# KiCad board Premium lumpen.kicad_pcb
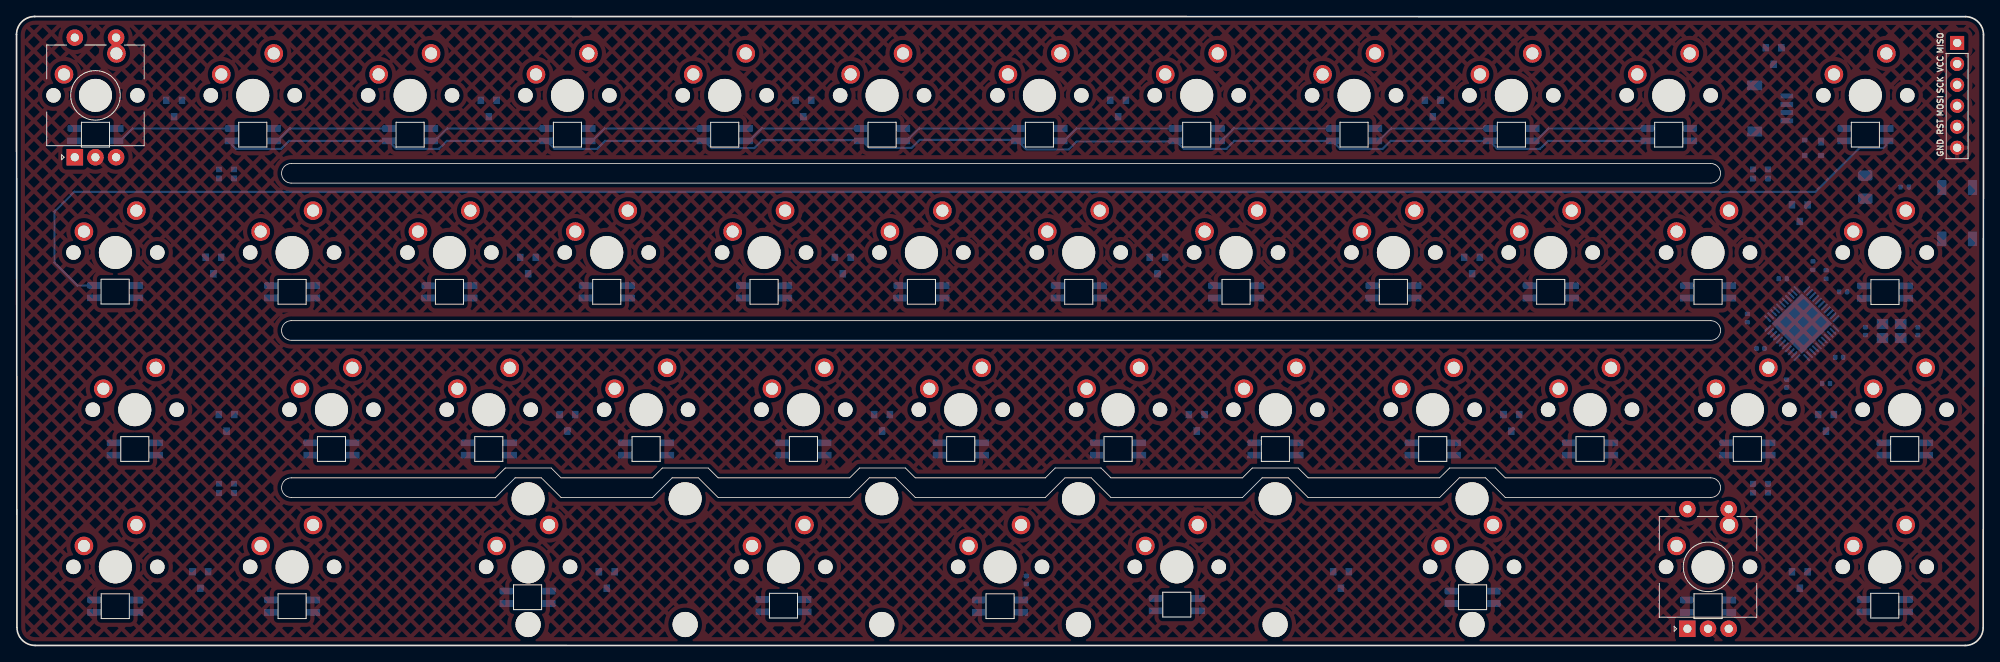
[diagram p0: board, top side]
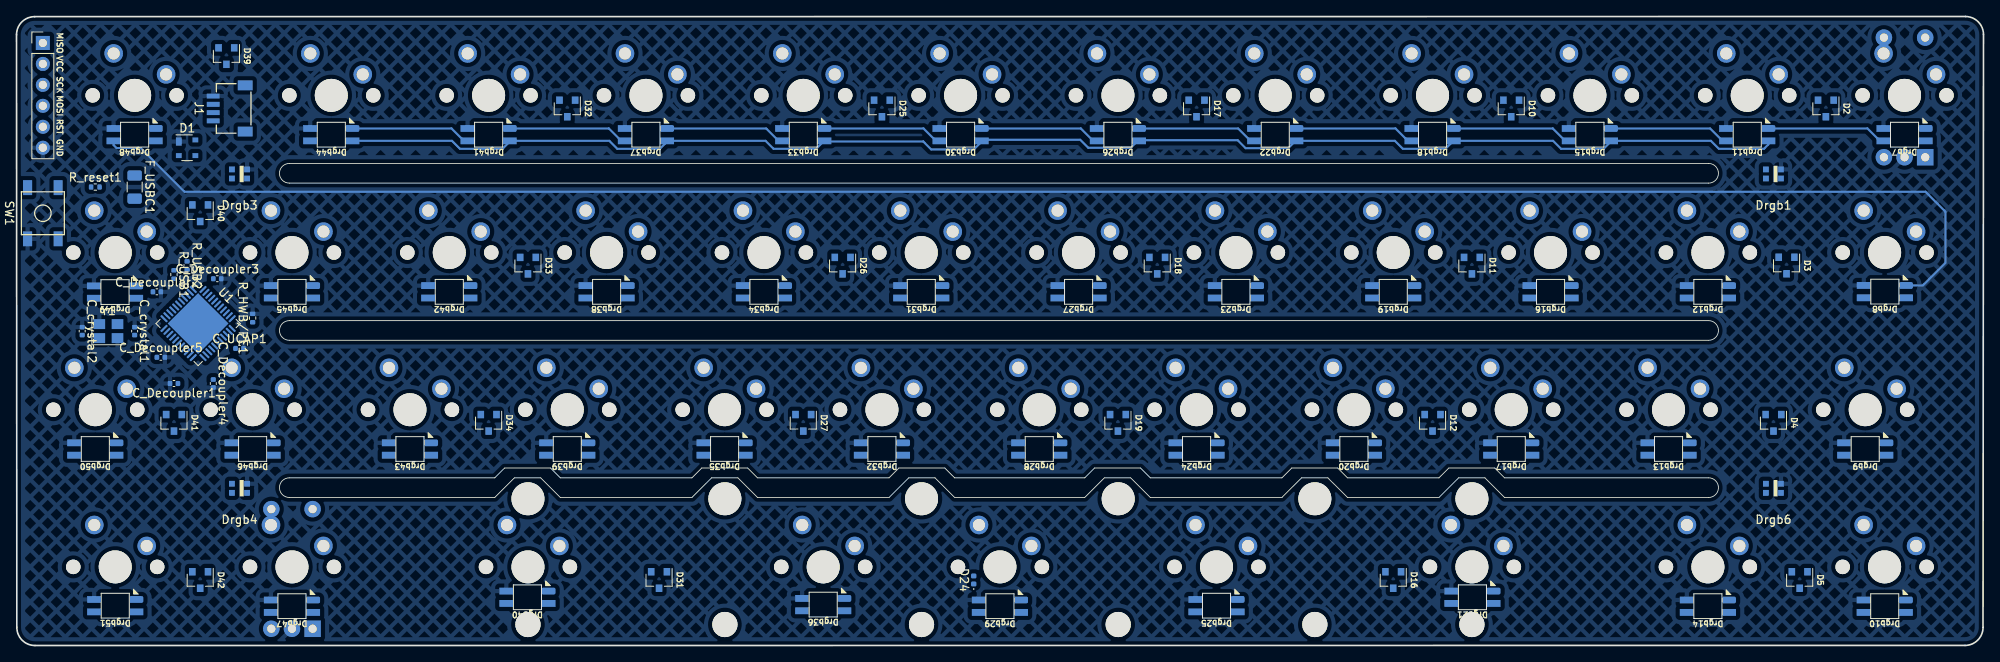
[diagram p1: board, bottom side, seen from below]

Outline 238.17 x 76.24 mm; copper layers: Top, Bottom. Coordinates in mm from the lower left corner of the outline.
Outline path: 0,74.04 arc(0.64,75.59) 2.19,76.24 235.98,76.22 arc(237.53,75.58) 238.17,74.03 238.14,2.19 arc(237.49,0.64) 235.94,0 2.25,0.01 arc(0.7,0.65) 0.05,2.2 0,74.04 ; 33.3,58.42 205.14,58.42 arc(206.33,57.23) 205.14,56.04 33.3,56.04 arc(32.11,57.23) 33.3,58.42 ; 33.3,39.37 205.14,39.37 arc(206.33,38.18) 205.14,36.99 33.3,36.99 arc(32.11,38.18) 33.3,39.37 ; 33.3,20.32 57.99,20.32 59.18,21.51 64.74,21.51 65.93,20.32 77.01,20.32 78.2,21.51 83.76,21.51 84.95,20.32 100.89,20.32 102.08,21.51 107.63,21.51 108.82,20.32 124.58,20.32 125.77,21.51 131.33,21.51 132.52,20.32 148.45,20.32 149.64,21.51 155.2,21.51 156.39,20.32 172.32,20.32 173.51,21.51 179.07,21.51 180.26,20.32 205.14,20.32 arc(206.33,19.13) 205.14,17.94 180.26,17.94 177.88,20.32 174.71,20.32 172.32,17.94 156.39,17.94 154,20.32 150.83,20.32 148.45,17.94 132.52,17.94 130.13,20.32 126.96,20.32 124.58,17.94 108.82,17.94 106.44,20.32 103.27,20.32 100.89,17.94 84.95,17.94 82.57,20.32 79.39,20.32 77.01,17.94 65.93,17.94 63.55,20.32 60.37,20.32 57.99,17.94 33.3,17.94 arc(32.11,19.13) 33.3,20.32

## Placement (name value [footprint] x y rotation side)
C_crystal1  22pF  [C_0402_1005Metric]  223.87 38.1 270 bottom
C_crystal2  22pF  [C_0402_1005Metric]  230.22 38.1 270 bottom
C_Decoupler1  10uF  [C_0402_1005Metric]  219.11 31.75 0 bottom
C_Decoupler2  0.1uF  [C_0402_1005Metric]  221.18 42.87 180 bottom
C_Decoupler3  0.1uF  [C_0402_1005Metric]  213.87 44.45 180 bottom
C_Decoupler4  0.1uF  [C_0402_1005Metric]  214.35 31.75 270 bottom
C_Decoupler5  0.1uF  [C_0402_1005Metric]  220.7 34.93 180 bottom
C_UCAP1  1uF  [C_0402_1005Metric]  211.17 36.01 180 bottom
D1  PRTR5V0U2X  [SOT-143]  217.52 60.33 180 bottom
D2  D_Small  [SOT-23]  19.08 65.09 270 bottom
D3  D_Small  [SOT-23]  23.85 46.05 270 bottom
D4  D_Small  [SOT-23]  25.43 26.99 270 bottom
D5  D_Small  [SOT-23]  22.26 7.94 270 bottom
D10  D_Small  [SOT-23]  57.18 65.09 270 bottom
D11  D_Small  [SOT-23]  61.95 46.04 270 bottom
D12  D_Small  [SOT-23]  66.71 26.99 270 bottom
D16  D_Small  [SOT-23]  71.47 7.94 270 bottom
D17  D_Small  [SOT-23]  95.28 65.09 270 bottom
D18  D_Small  [SOT-23]  100.05 46.04 270 bottom
D19  D_Small  [SOT-23]  104.81 26.99 270 bottom
D24  D_Small  [D_0402_1005Metric]  122.27 7.94 90 bottom
D25  D_Small  [SOT-23]  133.38 65.09 270 bottom
D26  D_Small  [SOT-23]  138.15 46.04 270 bottom
D27  D_Small  [SOT-23]  142.91 26.99 270 bottom
D31  D_Small  [SOT-23]  160.37 7.94 270 bottom
D32  D_Small  [SOT-23]  171.48 65.09 270 bottom
D33  D_Small  [SOT-23]  176.25 46.04 270 bottom
D34  D_Small  [SOT-23]  181.01 26.99 270 bottom
D39  D_Small  [SOT-23]  212.76 71.44 270 bottom
D40  D_Small  [SOT-23]  215.93 52.39 270 bottom
D41  D_Small  [SOT-23]  219.11 26.99 270 bottom
D42  D_Small  [SOT-23]  215.93 7.94 270 bottom
Drgb1  -  [WS2812-2020]  25.43 57.15 180 bottom
Drgb3  -  [WS2812-2020]  211.17 57.15 180 bottom
Drgb4  -  [WS2812-2020]  211.17 19.05 180 bottom
Drgb6  -  [WS2812-2020]  25.43 19.05 180 bottom
Drgb7  WS2812-2020  [SK6812-MINI-E]  9.56 61.92 180 bottom
Drgb8  WS2812-2020  [SK6812-MINI-E]  11.94 42.89 180 bottom
Drgb9  WS2812-2020  [SK6812-MINI-E]  14.32 23.82 180 bottom
Drgb10  WS2812-2020  [SK6812-MINI-E]  11.96 4.77 180 bottom
Drgb11  WS2812-2020  [SK6812-MINI-E]  28.61 61.92 180 bottom
Drgb12  WS2812-2020  [SK6812-MINI-E]  33.37 42.87 180 bottom
Drgb13  WS2812-2020  [SK6812-MINI-E]  38.13 23.82 180 bottom
Drgb14  WS2812-2020  [SK6812-MINI-E]  33.37 4.77 180 bottom
Drgb15  WS2812-2020  [SK6812-MINI-E]  47.66 61.92 180 bottom
Drgb16  WS2812-2020  [SK6812-MINI-E]  52.42 42.87 180 bottom
Drgb17  WS2812-2020  [SK6812-MINI-E]  57.18 23.82 180 bottom
Drgb18  WS2812-2020  [SK6812-MINI-E]  66.71 61.92 180 bottom
Drgb19  WS2812-2020  [SK6812-MINI-E]  71.47 42.87 180 bottom
Drgb20  WS2812-2020  [SK6812-MINI-E]  76.23 23.82 180 bottom
Drgb21  WS2812-2020  [SK6812-MINI-E]  61.88 5.85 180 bottom
Drgb22  WS2812-2020  [SK6812-MINI-E]  85.76 61.92 180 bottom
Drgb23  WS2812-2020  [SK6812-MINI-E]  90.52 42.87 180 bottom
Drgb24  WS2812-2020  [SK6812-MINI-E]  95.28 23.82 180 bottom
Drgb25  WS2812-2020  [SK6812-MINI-E]  92.87 4.83 180 bottom
Drgb26  WS2812-2020  [SK6812-MINI-E]  104.81 61.92 180 bottom
Drgb27  WS2812-2020  [SK6812-MINI-E]  109.57 42.87 180 bottom
Drgb28  WS2812-2020  [SK6812-MINI-E]  114.33 23.82 180 bottom
Drgb29  WS2812-2020  [SK6812-MINI-E]  119.1 4.77 180 bottom
Drgb30  WS2812-2020  [SK6812-MINI-E]  123.86 61.92 180 bottom
Drgb31  WS2812-2020  [SK6812-MINI-E]  128.62 42.87 180 bottom
Drgb32  WS2812-2020  [SK6812-MINI-E]  133.38 23.82 180 bottom
Drgb33  WS2812-2020  [SK6812-MINI-E]  142.91 61.92 180 bottom
Drgb34  WS2812-2020  [SK6812-MINI-E]  147.67 42.87 180 bottom
Drgb35  WS2812-2020  [SK6812-MINI-E]  152.43 23.82 180 bottom
Drgb36  WS2812-2020  [SK6812-MINI-E]  140.49 4.96 180 bottom
Drgb37  WS2812-2020  [SK6812-MINI-E]  161.96 61.92 180 bottom
Drgb38  WS2812-2020  [SK6812-MINI-E]  166.72 42.87 180 bottom
Drgb39  WS2812-2020  [SK6812-MINI-E]  171.48 23.82 180 bottom
Drgb40  WS2812-2020  [SK6812-MINI-E]  176.31 5.85 180 bottom
Drgb41  WS2812-2020  [SK6812-MINI-E]  181.01 61.92 180 bottom
Drgb42  WS2812-2020  [SK6812-MINI-E]  185.77 42.87 180 bottom
Drgb43  WS2812-2020  [SK6812-MINI-E]  190.53 23.82 180 bottom
Drgb44  WS2812-2020  [SK6812-MINI-E]  200.06 61.92 180 bottom
Drgb45  WS2812-2020  [SK6812-MINI-E]  204.82 42.87 180 bottom
Drgb46  WS2812-2020  [SK6812-MINI-E]  209.58 23.82 180 bottom
Drgb47  WS2812-2020  [SK6812-MINI-E]  204.82 4.77 180 bottom
Drgb48  WS2812-2020  [SK6812-MINI-E]  223.87 61.92 180 bottom
Drgb49  WS2812-2020  [SK6812-MINI-E]  226.25 42.84 180 bottom
Drgb50  WS2812-2020  [SK6812-MINI-E]  228.63 23.82 180 bottom
Drgb51  WS2812-2020  [SK6812-MINI-E]  226.22 4.83 180 bottom
F_USBC1  500mA  [Fuse_1206_3216Metric]  223.87 55.57 270 bottom
J1  Conn_01x04_MountingPin  [JST-SR-4]  209.58 65.09 90 bottom
J2  AVR-ISP-6  [ICSP-Header]  234.98 73.03 180 bottom
MX1  MX-NoLED  [MXOnly-1U-NoLED]  9.56 66.68 0 top
MX2  MX-NoLED  [MXOnly-1U-NoLED]  28.61 66.68 0 top
MX3  MX-NoLED  [MXOnly-1U-NoLED]  47.66 66.68 0 top
MX4  MX-NoLED  [MXOnly-1U-NoLED]  66.71 66.68 0 top
MX5  MX-NoLED  [MXOnly-1U-NoLED]  85.76 66.68 0 top
MX6  MX-NoLED  [MXOnly-1U-NoLED]  104.81 66.68 0 top
MX7  MX-NoLED  [MXOnly-1U-NoLED]  123.86 66.68 0 top
MX8  MX-NoLED  [MXOnly-1U-NoLED]  142.91 66.68 0 top
MX9  MX-NoLED  [MXOnly-1U-NoLED]  161.96 66.68 0 top
MX10  MX-NoLED  [MXOnly-1U-NoLED]  181.01 66.68 0 top
MX11  MX-NoLED  [MXOnly-1U-NoLED]  200.06 66.68 0 top
MX12  MX-NoLED  [MXOnly-1.5U-NoLED]  223.87 66.68 0 top
MX13  MX-NoLED  [MXOnly-1.25U-NoLED]  11.97 47.63 0 top
MX14  MX-NoLED  [MXOnly-1U-NoLED]  33.37 47.63 0 top
MX15  MX-NoLED  [MXOnly-1U-NoLED]  52.42 47.63 0 top
MX16  MX-NoLED  [MXOnly-1U-NoLED]  71.47 47.63 0 top
MX17  MX-NoLED  [MXOnly-1U-NoLED]  90.52 47.63 0 top
MX18  MX-NoLED  [MXOnly-1U-NoLED]  109.57 47.63 0 top
MX19  MX-NoLED  [MXOnly-1U-NoLED]  128.62 47.63 0 top
MX20  MX-NoLED  [MXOnly-1U-NoLED]  147.67 47.63 0 top
MX21  MX-NoLED  [MXOnly-1U-NoLED]  166.72 47.63 0 top
MX22  MX-NoLED  [MXOnly-1U-NoLED]  185.77 47.63 0 top
MX23  MX-NoLED  [MXOnly-1U-NoLED]  204.82 47.63 0 top
MX24  MX-NoLED  [MXOnly-1.25U-NoLED]  226.22 47.63 0 top
MX25  MX-NoLED  [MXOnly-1.5U-NoLED]  14.32 28.58 0 top
MX26  MX-NoLED  [MXOnly-1U-NoLED]  38.13 28.58 0 top
MX27  MX-NoLED  [MXOnly-1U-NoLED]  57.18 28.58 0 top
MX28  MX-NoLED  [MXOnly-1U-NoLED]  76.23 28.58 0 top
MX29  MX-NoLED  [MXOnly-1U-NoLED]  95.28 28.58 0 top
MX30  MX-NoLED  [MXOnly-1U-NoLED]  114.33 28.58 0 top
MX31  MX-NoLED  [MXOnly-1U-NoLED]  133.38 28.58 0 top
MX32  MX-NoLED  [MXOnly-1U-NoLED]  152.43 28.58 0 top
MX33  MX-NoLED  [MXOnly-1U-NoLED]  171.48 28.58 0 top
MX34  MX-NoLED  [MXOnly-1U-NoLED]  190.53 28.58 0 top
MX35  MX-NoLED  [MXOnly-1U-NoLED]  209.58 28.58 0 top
MX36  MX-NoLED  [MXOnly-1U-NoLED]  228.63 28.58 0 top
MX37  MX-NoLED  [MXOnly-1.25U-NoLED]  11.97 9.53 0 top
MX38  MX-NoLED  [MXOnly-1U-NoLED]  33.37 9.53 0 top
MX39  MX-NoLED  [MXOnly-1U-NoLED]  61.95 9.53 0 top
MX40  MX-NoLED  [MXOnly-2.25U-ReversedStabilizers-NoLED]  92.87 9.53 0 top
MX41  MX-NoLED  [MXOnly-7U-ReversedStabilizers-NoLED]  119.1 9.53 0 top
MX42  MX-NoLED  [MXOnly-2.75U-ReversedStabilizers-NoLED]  140.49 9.53 0 top
MX43  MX-NoLED  [MXOnly-1U-NoLED]  176.25 9.53 0 top
MX44  MX-NoLED  [MXOnly-1U-NoLED]  204.82 9.53 0 top
MX45  MX-NoLED  [MXOnly-1.25U-NoLED]  226.22 9.53 0 top
R_HWB/PE1  10k  [R_0402_1005Metric]  209.58 39.69 90 bottom
R_reset1  10k  [R_0402_1005Metric]  228.63 55.57 180 bottom
R_USB1  22ohm  [R_0402_1005Metric]  219.11 44.96 270 bottom
R_USB2  22ohm  [R_0402_1005Metric]  217.52 46.04 270 bottom
SW1  SW_Push  [SKQG-1155865]  234.98 52.39 270 bottom
SW2  RotaryEncoder_Switch  [RotaryEncoder_EC11-no-legs]  9.56 66.68 90 top
SW3  RotaryEncoder_Switch  [RotaryEncoder_EC11-no-legs]  204.82 9.53 90 top
U1  ATmega32U4-M  [QFN-44-1EP_7x7mm_P0.5mm_EP5.2x5.2mm]  216.18 39.02 225 bottom
Y1  Crystal_GND24_Small  [Crystal_SMD_3225-4Pin_3.2x2.5mm]  227.05 38.1 180 bottom

## Footprints (pads in the part's own frame, mm; a bottom-side part is the same pattern mirrored in y, then rotated)
C_0402_1005Metric
  rrect 0.56x0.62 smd: 1(-0.48,0) 2(0.48,0)
Crystal_SMD_3225-4Pin_3.2x2.5mm
  rect 1.4x1.2 smd: 1(-1.1,-0.85) 2(1.1,-0.85) 3(1.1,0.85) 4(-1.1,0.85)
D_0402_1005Metric
  rrect 0.59x0.64 smd: 1(-0.485,0) 2(0.485,0)
Fuse_1206_3216Metric
  rrect 1.25x1.75 smd: 1(-1.4,0) 2(1.4,0)
ICSP-Header
  rect 1.7x1.7 hole 1: 1(0,0)
  oval 1.7x1.7 hole 1: 2(0,-2.54) 3(0,-5.08) 4(0,-7.62) 5(0,-10.16) 6(0,-12.7)
JST-SR-4
  rect 1.2x1.8 smd: (-2.8,0.9) (2.8,0.9)
  rect 0.6x1.55 smd: 1(-1.5,4.775) 2(-0.5,4.775) 3(0.5,4.775) 4(1.5,4.775)
MXOnly-1.5U-NoLED
  round 1.75 hole 1.75 unplated: (-5.08,0) (5.08,0)
  round 3.988 hole 3.988 unplated: (0,0)
  round 2.25 hole 1.47: 1(-3.81,2.54) 2(2.54,5.08)
MXOnly-1.25U-NoLED
  round 1.75 hole 1.75 unplated: (-5.08,0) (5.08,0)
  round 3.988 hole 3.988 unplated: (0,0)
  round 2.25 hole 1.47: 1(-3.81,2.54) 2(2.54,5.08)
MXOnly-1U-NoLED
  round 1.75 hole 1.75 unplated: (-5.08,0) (5.08,0)
  round 3.988 hole 3.988 unplated: (0,0)
  round 2.25 hole 1.47: 1(-3.81,2.54) 2(2.54,5.08)
MXOnly-2.25U-ReversedStabilizers-NoLED
  round 3.988 hole 3.988 unplated: (-11.906,8.255) (0,0) (11.906,8.255)
  round 3.048 hole 3.048 unplated: (-11.906,-6.985) (11.906,-6.985)
  round 1.75 hole 1.75 unplated: (-5.08,0) (5.08,0)
  round 2.25 hole 1.47: 1(-3.81,2.54) 2(2.54,5.08)
MXOnly-2.75U-ReversedStabilizers-NoLED
  round 3.988 hole 3.988 unplated: (-11.906,8.255) (0,0) (11.906,8.255)
  round 3.048 hole 3.048 unplated: (-11.906,-6.985) (11.906,-6.985)
  round 1.75 hole 1.75 unplated: (-5.08,0) (5.08,0)
  round 2.25 hole 1.47: 1(-3.81,2.54) 2(2.54,5.08)
MXOnly-7U-ReversedStabilizers-NoLED
  round 3.988 hole 3.988 unplated: (-57.15,8.255) (0,0) (57.15,8.255)
  round 3.048 hole 3.048 unplated: (-57.15,-6.985) (57.15,-6.985)
  round 1.75 hole 1.75 unplated: (-5.08,0) (5.08,0)
  round 2.25 hole 1.47: 1(-3.81,2.54) 2(2.54,5.08)
QFN-44-1EP_7x7mm_P0.5mm_EP5.2x5.2mm
  rrect 1.05x1.05 smd: (-1.95,-1.95) (-1.95,-0.65) (-1.95,0.65) (-1.95,1.95) (-0.65,-1.95) (-0.65,-0.65) (-0.65,0.65) (-0.65,1.95) (0.65,-1.95) (0.65,-0.65) (0.65,0.65) (0.65,1.95) (1.95,-1.95) (1.95,-0.65) (1.95,0.65) (1.95,1.95)
  rrect 1.075x0.25 smd: 1(-3.337,2.5) 2(-3.337,2) 3(-3.337,1.5) 4(-3.337,1) 5(-3.337,0.5) 6(-3.337,0) 7(-3.337,-0.5) 8(-3.337,-1) 9(-3.337,-1.5) 10(-3.337,-2) 11(-3.337,-2.5) 23(3.337,-2.5) 24(3.337,-2) 25(3.337,-1.5) 26(3.337,-1) 27(3.337,-0.5) 28(3.337,0) 29(3.337,0.5) 30(3.337,1) 31(3.337,1.5) 32(3.337,2) 33(3.337,2.5)
  rrect 0.25x1.075 smd: 12(-2.5,-3.337) 13(-2,-3.337) 14(-1.5,-3.337) 15(-1,-3.337) 16(-0.5,-3.337) 17(0,-3.337) 18(0.5,-3.337) 19(1,-3.337) 20(1.5,-3.337) 21(2,-3.337) 22(2.5,-3.337) 34(2.5,3.337) 35(2,3.337) 36(1.5,3.337) 37(1,3.337) 38(0.5,3.337) 39(0,3.337) 40(-0.5,3.337) 41(-1,3.337) 42(-1.5,3.337) 43(-2,3.337) 44(-2.5,3.337)
  rect 5.2x5.2 smd: 45(0,0)
R_0402_1005Metric
  rrect 0.54x0.64 smd: 1(-0.51,0) 2(0.51,0)
RotaryEncoder_EC11-no-legs
  rect 2x2 hole 1: A(-7.5,2.5)
  round 2 hole 1: B(-7.5,-2.5) C(-7.5,0) S1(7,-2.5) S2(7,2.5)
SK6812-MINI-E
  rect 1.7x0.82 smd: 1(-2.55,-0.75) 2(-2.55,0.75) 4(2.55,-0.75)
  rrect 1.7x0.82 smd: 3(2.55,0.75)
SKQG-1155865
  rect 1.8x1.1 smd: 1(3.1,-1.85) 2(-3.1,1.85) 3(3.1,1.85) 4(-3.1,-1.85)
SOT-23
  rect 0.9x0.8 smd: 1(-1,0.95) 2(-1,-0.95) 3(1,0)
SOT-143
  rect 0.7x1 smd: 1(-1,0.75)
  rect 0.7x0.6 smd: 2(-1,-0.95) 3(1,-0.95) 4(1,0.95)
WS2812-2020
  rect 0.7x0.7 smd: 1(0.915,-0.55) 2(0.915,0.55) 3(-0.915,0.55) 4(-0.915,-0.55)

## Nets
+5V: C_Decoupler1.1 C_Decoupler2.1 C_Decoupler3.1 C_Decoupler4.1 C_Decoupler5.1 F_USBC1.2 J2.2 R_reset1.1 U1.2 U1.7 U1.14 U1.24 U1.34 U1.44
GND: C_crystal1.1 C_crystal2.1 C_Decoupler1.2 C_Decoupler2.2 C_Decoupler3.2 C_Decoupler4.2 C_Decoupler5.2 C_UCAP1.2 D1.1 Drgb1.2 Drgb3.2 Drgb4.2 Drgb6.2 Drgb7.2 Drgb8.2 Drgb9.2 Drgb10.2 Drgb11.2 Drgb12.2 Drgb13.2 Drgb14.2 Drgb15.2 Drgb16.2 Drgb17.2 Drgb18.2 Drgb19.2 Drgb20.2 Drgb21.2 Drgb22.2 Drgb23.2 Drgb24.2 Drgb25.2 Drgb26.2 Drgb27.2 Drgb28.2 Drgb29.2 Drgb30.2 Drgb31.2 Drgb32.2 Drgb33.2 Drgb34.2 Drgb35.2 Drgb36.2 Drgb37.2 Drgb38.2 Drgb39.2 Drgb40.2 Drgb41.2 Drgb42.2 Drgb43.2 Drgb44.2 Drgb45.2 Drgb46.2 Drgb47.2 Drgb48.2 Drgb49.2 Drgb50.2 Drgb51.2 J1.4 J2.6 R_HWB/PE1.2 SW1.1 SW2.C SW3.C U1.5 U1.15 U1.23 U1.35 U1.43 U1.45 Y1.2 Y1.4
VCC: D1.4 Drgb1.4 Drgb3.4 Drgb4.4 Drgb6.4 Drgb7.4 Drgb8.4 Drgb9.4 Drgb10.4 Drgb11.4 Drgb12.4 Drgb13.4 Drgb14.4 Drgb15.4 Drgb16.4 Drgb17.4 Drgb18.4 Drgb19.4 Drgb20.4 Drgb21.4 Drgb22.4 Drgb23.4 Drgb24.4 Drgb25.4 Drgb26.4 Drgb27.4 Drgb28.4 Drgb29.4 Drgb30.4 Drgb31.4 Drgb32.4 Drgb33.4 Drgb34.4 Drgb35.4 Drgb36.4 Drgb37.4 Drgb38.4 Drgb39.4 Drgb40.4 Drgb41.4 Drgb42.4 Drgb43.4 Drgb44.4 Drgb45.4 Drgb46.4 Drgb47.4 Drgb48.4 Drgb49.4 Drgb50.4 Drgb51.4 F_USBC1.1 J1.1
 ROW3: D5.3 D16.3 D24.1 D31.3 D42.3 U1.20
COL0: MX1.1 MX13.1 MX25.1 MX37.1 SW2.S2 U1.8
COL1: MX2.1 MX14.1 MX26.1 MX38.1 U1.26
COL2: MX3.1 MX15.1 MX27.1 U1.27
COL3: MX4.1 MX16.1 MX28.1 MX39.1
COL4: MX5.1 MX17.1 MX29.1 MX40.1 U1.28
COL5: MX6.1 MX18.1 MX30.1 MX41.1 U1.29
COL6: MX7.1 MX19.1 MX31.1 U1.30
COL7: MX8.1 MX20.1 MX32.1 MX42.1 U1.12
COL8: MX9.1 MX21.1 MX33.1 MX43.1 U1.31
COL9: MX10.1 MX22.1 MX34.1 U1.32
COL10: MX11.1 MX23.1 MX35.1 MX44.1 SW3.S2 U1.18
COL11: MX12.1 MX24.1 MX36.1 MX45.1 U1.19
D+: D1.3 J1.3 R_USB2.1
D-: D1.2 J1.2 R_USB1.1
MISO: J2.1 U1.11
MOSI: J2.4 U1.10
RESET: J2.5 R_reset1.2 SW1.2 U1.13
RGB_per key: Drgb7.3 U1.40
RGB_Underglow: Drgb1.3 U1.41
ROTARY_A: SW2.A U1.39
ROTARY_B: SW2.B U1.38
ROTARY_C: SW3.A U1.37
ROTARY_D: SW3.B U1.36
ROW0: D2.3 D10.3 D17.3 D25.3 D32.3 D39.3 U1.22
ROW1: D3.3 D11.3 D18.3 D26.3 D33.3 D40.3 U1.25
ROW2: D4.3 D12.3 D19.3 D27.3 D34.3 D41.3 U1.21
SCK: J2.3 U1.9
Net-(C_crystal1-Pad2): C_crystal1.2 U1.17 Y1.1
Net-(C_crystal2-Pad2): C_crystal2.2 U1.16 Y1.3
Net-(C_UCAP1-Pad1): C_UCAP1.1 U1.6
Net-(D2-Pad1): D2.1 MX1.2 SW2.S1
Net-(D2-Pad2): D2.2 MX2.2
Net-(D3-Pad1): D3.1 MX13.2
Net-(D3-Pad2): D3.2 MX14.2
Net-(D4-Pad1): D4.1 MX25.2
Net-(D4-Pad2): D4.2 MX26.2
Net-(D5-Pad1): D5.1 MX37.2
Net-(D5-Pad2): D5.2 MX38.2
Net-(D10-Pad1): D10.1 MX3.2
Net-(D10-Pad2): D10.2 MX4.2
Net-(D11-Pad1): D11.1 MX15.2
Net-(D11-Pad2): D11.2 MX16.2
Net-(D12-Pad1): D12.1 MX27.2
Net-(D12-Pad2): D12.2 MX28.2
Net-(D16-Pad1): D16.1 MX39.2
Net-(D16-Pad2): D16.2 MX40.2
Net-(D17-Pad1): D17.1 MX5.2
Net-(D17-Pad2): D17.2 MX6.2
Net-(D18-Pad1): D18.1 MX17.2
Net-(D18-Pad2): D18.2 MX18.2
Net-(D19-Pad1): D19.1 MX29.2
Net-(D19-Pad2): D19.2 MX30.2
Net-(D24-Pad2): D24.2 MX41.2
Net-(D25-Pad1): D25.1 MX7.2
Net-(D25-Pad2): D25.2 MX8.2
Net-(D26-Pad1): D26.1 MX19.2
Net-(D26-Pad2): D26.2 MX20.2
Net-(D27-Pad1): D27.1 MX31.2
Net-(D27-Pad2): D27.2 MX32.2
Net-(D31-Pad1): D31.1 MX42.2
Net-(D31-Pad2): D31.2 MX43.2
Net-(D32-Pad1): D32.1 MX9.2
Net-(D32-Pad2): D32.2 MX10.2
Net-(D33-Pad1): D33.1 MX21.2
Net-(D33-Pad2): D33.2 MX22.2
Net-(D34-Pad1): D34.1 MX33.2
Net-(D34-Pad2): D34.2 MX34.2
Net-(D39-Pad1): D39.1 MX11.2
Net-(D39-Pad2): D39.2 MX12.2
Net-(D40-Pad1): D40.1 MX23.2
Net-(D40-Pad2): D40.2 MX24.2
Net-(D41-Pad1): D41.1 MX35.2
Net-(D41-Pad2): D41.2 MX36.2
Net-(D42-Pad1): D42.1 MX44.2 SW3.S1
Net-(D42-Pad2): D42.2 MX45.2
Net-(Drgb1-Pad1): Drgb1.1 Drgb3.3
Net-(Drgb3-Pad1): Drgb3.1 Drgb4.3
Net-(Drgb6-Pad3): Drgb4.1 Drgb6.3
Net-(Drgb10-Pad1): Drgb10.1 Drgb14.3
Net-(Drgb10-Pad3): Drgb10.3 Drgb50.1
Net-(Drgb11-Pad1): Drgb11.1 Drgb15.3
Net-(Drgb11-Pad3): Drgb7.1 Drgb11.3
Net-(Drgb12-Pad1): Drgb12.1 Drgb16.3
Net-(Drgb12-Pad3): Drgb8.1 Drgb12.3
Net-(Drgb13-Pad1): Drgb13.1 Drgb17.3
Net-(Drgb13-Pad3): Drgb9.1 Drgb13.3
Net-(Drgb14-Pad1): Drgb14.1 Drgb21.3
Net-(Drgb15-Pad1): Drgb15.1 Drgb18.3
Net-(Drgb16-Pad1): Drgb16.1 Drgb19.3
Net-(Drgb17-Pad1): Drgb17.1 Drgb20.3
Net-(Drgb18-Pad1): Drgb18.1 Drgb22.3
Net-(Drgb19-Pad1): Drgb19.1 Drgb23.3
Net-(Drgb20-Pad1): Drgb20.1 Drgb24.3
Net-(Drgb21-Pad1): Drgb21.1 Drgb25.3
Net-(Drgb22-Pad1): Drgb22.1 Drgb26.3
Net-(Drgb23-Pad1): Drgb23.1 Drgb27.3
Net-(Drgb24-Pad1): Drgb24.1 Drgb28.3
Net-(Drgb25-Pad1): Drgb25.1 Drgb29.3
Net-(Drgb26-Pad1): Drgb26.1 Drgb30.3
Net-(Drgb27-Pad1): Drgb27.1 Drgb31.3
Net-(Drgb28-Pad1): Drgb28.1 Drgb32.3
Net-(Drgb29-Pad1): Drgb29.1 Drgb36.3
Net-(Drgb30-Pad1): Drgb30.1 Drgb33.3
Net-(Drgb31-Pad1): Drgb31.1 Drgb34.3
Net-(Drgb32-Pad1): Drgb32.1 Drgb35.3
Net-(Drgb33-Pad1): Drgb33.1 Drgb37.3
Net-(Drgb34-Pad1): Drgb34.1 Drgb38.3
Net-(Drgb35-Pad1): Drgb35.1 Drgb39.3
Net-(Drgb36-Pad1): Drgb36.1 Drgb40.3
Net-(Drgb37-Pad1): Drgb37.1 Drgb41.3
Net-(Drgb38-Pad1): Drgb38.1 Drgb42.3
Net-(Drgb39-Pad1): Drgb39.1 Drgb43.3
Net-(Drgb40-Pad1): Drgb40.1 Drgb47.3
Net-(Drgb41-Pad1): Drgb41.1 Drgb44.3
Net-(Drgb42-Pad1): Drgb42.1 Drgb45.3
Net-(Drgb43-Pad1): Drgb43.1 Drgb46.3
Net-(Drgb44-Pad1): Drgb44.1 Drgb48.3
Net-(Drgb45-Pad1): Drgb45.1 Drgb49.3
Net-(Drgb46-Pad1): Drgb46.1 Drgb50.3
Net-(Drgb47-Pad1): Drgb47.1 Drgb51.3
Net-(Drgb48-Pad1): Drgb8.3 Drgb48.1
Net-(R_HWB/PE1-Pad1): R_HWB/PE1.1 U1.33
Net-(R_USB1-Pad2): R_USB1.2 U1.3
Net-(R_USB2-Pad2): R_USB2.2 U1.4

Pads without a net: Drgb6 1; Drgb9 3; Drgb49 1; Drgb51 1; SW1 3 4; U1 1 42

## Routing (per net, layer and track width the routed paths; a pad name or vN(x,y) marks a point on that pad's centre or on a via; arc(x,y) is an arc through that point)
VCC: length 178.7
  Bottom w0.25: 121.41,61.29 109.37,61.29 108.4,60.33 103.24,60.33 102.36,61.22 ; Drgb18.4 52.12,61.17 51.15,60.2 46,60.2 45.11,61.09 Drgb15.4 33,61.17 32.04,60.2 26.58,60.2 26.06,60.72 Drgb11.4 ; 178.43,61.09 179.32,60.2 184.48,60.2 185.44,61.17 197.48,61.17 ; 102.35,61.24 90.31,61.24 89.34,60.28 84.18,60.28 83.3,61.16 ; 121.37,61.01 122.26,60.13 127.41,60.13 128.38,61.09 140.42,61.09 ; 83.31,61.17 71.27,61.17 70.3,60.2 65.14,60.2 64.26,61.09 ; 140.46,61.09 141.34,60.2 146.5,60.2 147.47,61.17 159.51,61.17 ; 178.43,61.17 166.39,61.17 165.43,60.2 160.27,60.2 159.38,61.09
Net-(Drgb11-Pad1): length 14.6
  Bottom w0.25: Drgb11.1 31.6,61.17 33.1,62.67 Drgb15.3
Net-(Drgb11-Pad3): length 14.6
  Bottom w0.25: Drgb11.3 14.05,62.67 12.55,61.17 Drgb7.1
Net-(Drgb15-Pad1): length 14.6
  Bottom w0.25: Drgb15.1 50.65,61.17 52.15,62.67 Drgb18.3
Net-(Drgb18-Pad1): length 14.6
  Bottom w0.25: 69.26,61.17 69.7,61.17 71.2,62.67 83.21,62.67
Net-(Drgb22-Pad1): length 14.6
  Bottom w0.25: Drgb26.3 90.25,62.67 88.75,61.17 Drgb22.1
Net-(Drgb26-Pad1): length 14.6
  Bottom w0.25: Drgb26.1 107.8,61.17 109.3,62.67 Drgb30.3
Net-(Drgb30-Pad1): length 14.6
  Bottom w0.25: Drgb33.3 128.35,62.67 126.85,61.17 Drgb30.1
Net-(Drgb33-Pad1): length 14.6
  Bottom w0.25: Drgb37.3 147.4,62.67 145.9,61.17 Drgb33.1
Net-(Drgb37-Pad1): length 14.6
  Bottom w0.25: Drgb37.1 164.95,61.17 166.45,62.67 Drgb41.3
Net-(Drgb41-Pad1): length 14.6
  Bottom w0.25: Drgb44.3 185.5,62.67 184,61.17 Drgb41.1
Net-(Drgb48-Pad1): length 237.8
  Bottom w0.25: Drgb48.1 226.42,60.66 226.06,60.29 223.13,60.29 217.84,54.99 7.02,54.99 4.61,52.58 4.61,46.38 7.34,43.64 Drgb8.3

## Copper pours and planes (outline as drawn; the poured copper is in the pictures)
GND on Top, Bottom: 246.29,-4.95 -3.9,-4.82 -3.65,79.76 246.29,79.76

## Text on the board
Top: cheap flex
